# Altium PCB Iris.PcbDoc (part 5 of 13)
Units mm, origin at the board's own origin, x right, y up, seen from the top; angles counter-clockwise.
Board outline 100 x 72 mm, 6 copper layers (Top Layer, PowerPlane1, MidLayer1, MidLayer2, PowerPlane2, Bottom Layer), stack 1.561 mm thick; 396 components, 379 nets, 1616 pads, 658 vias.
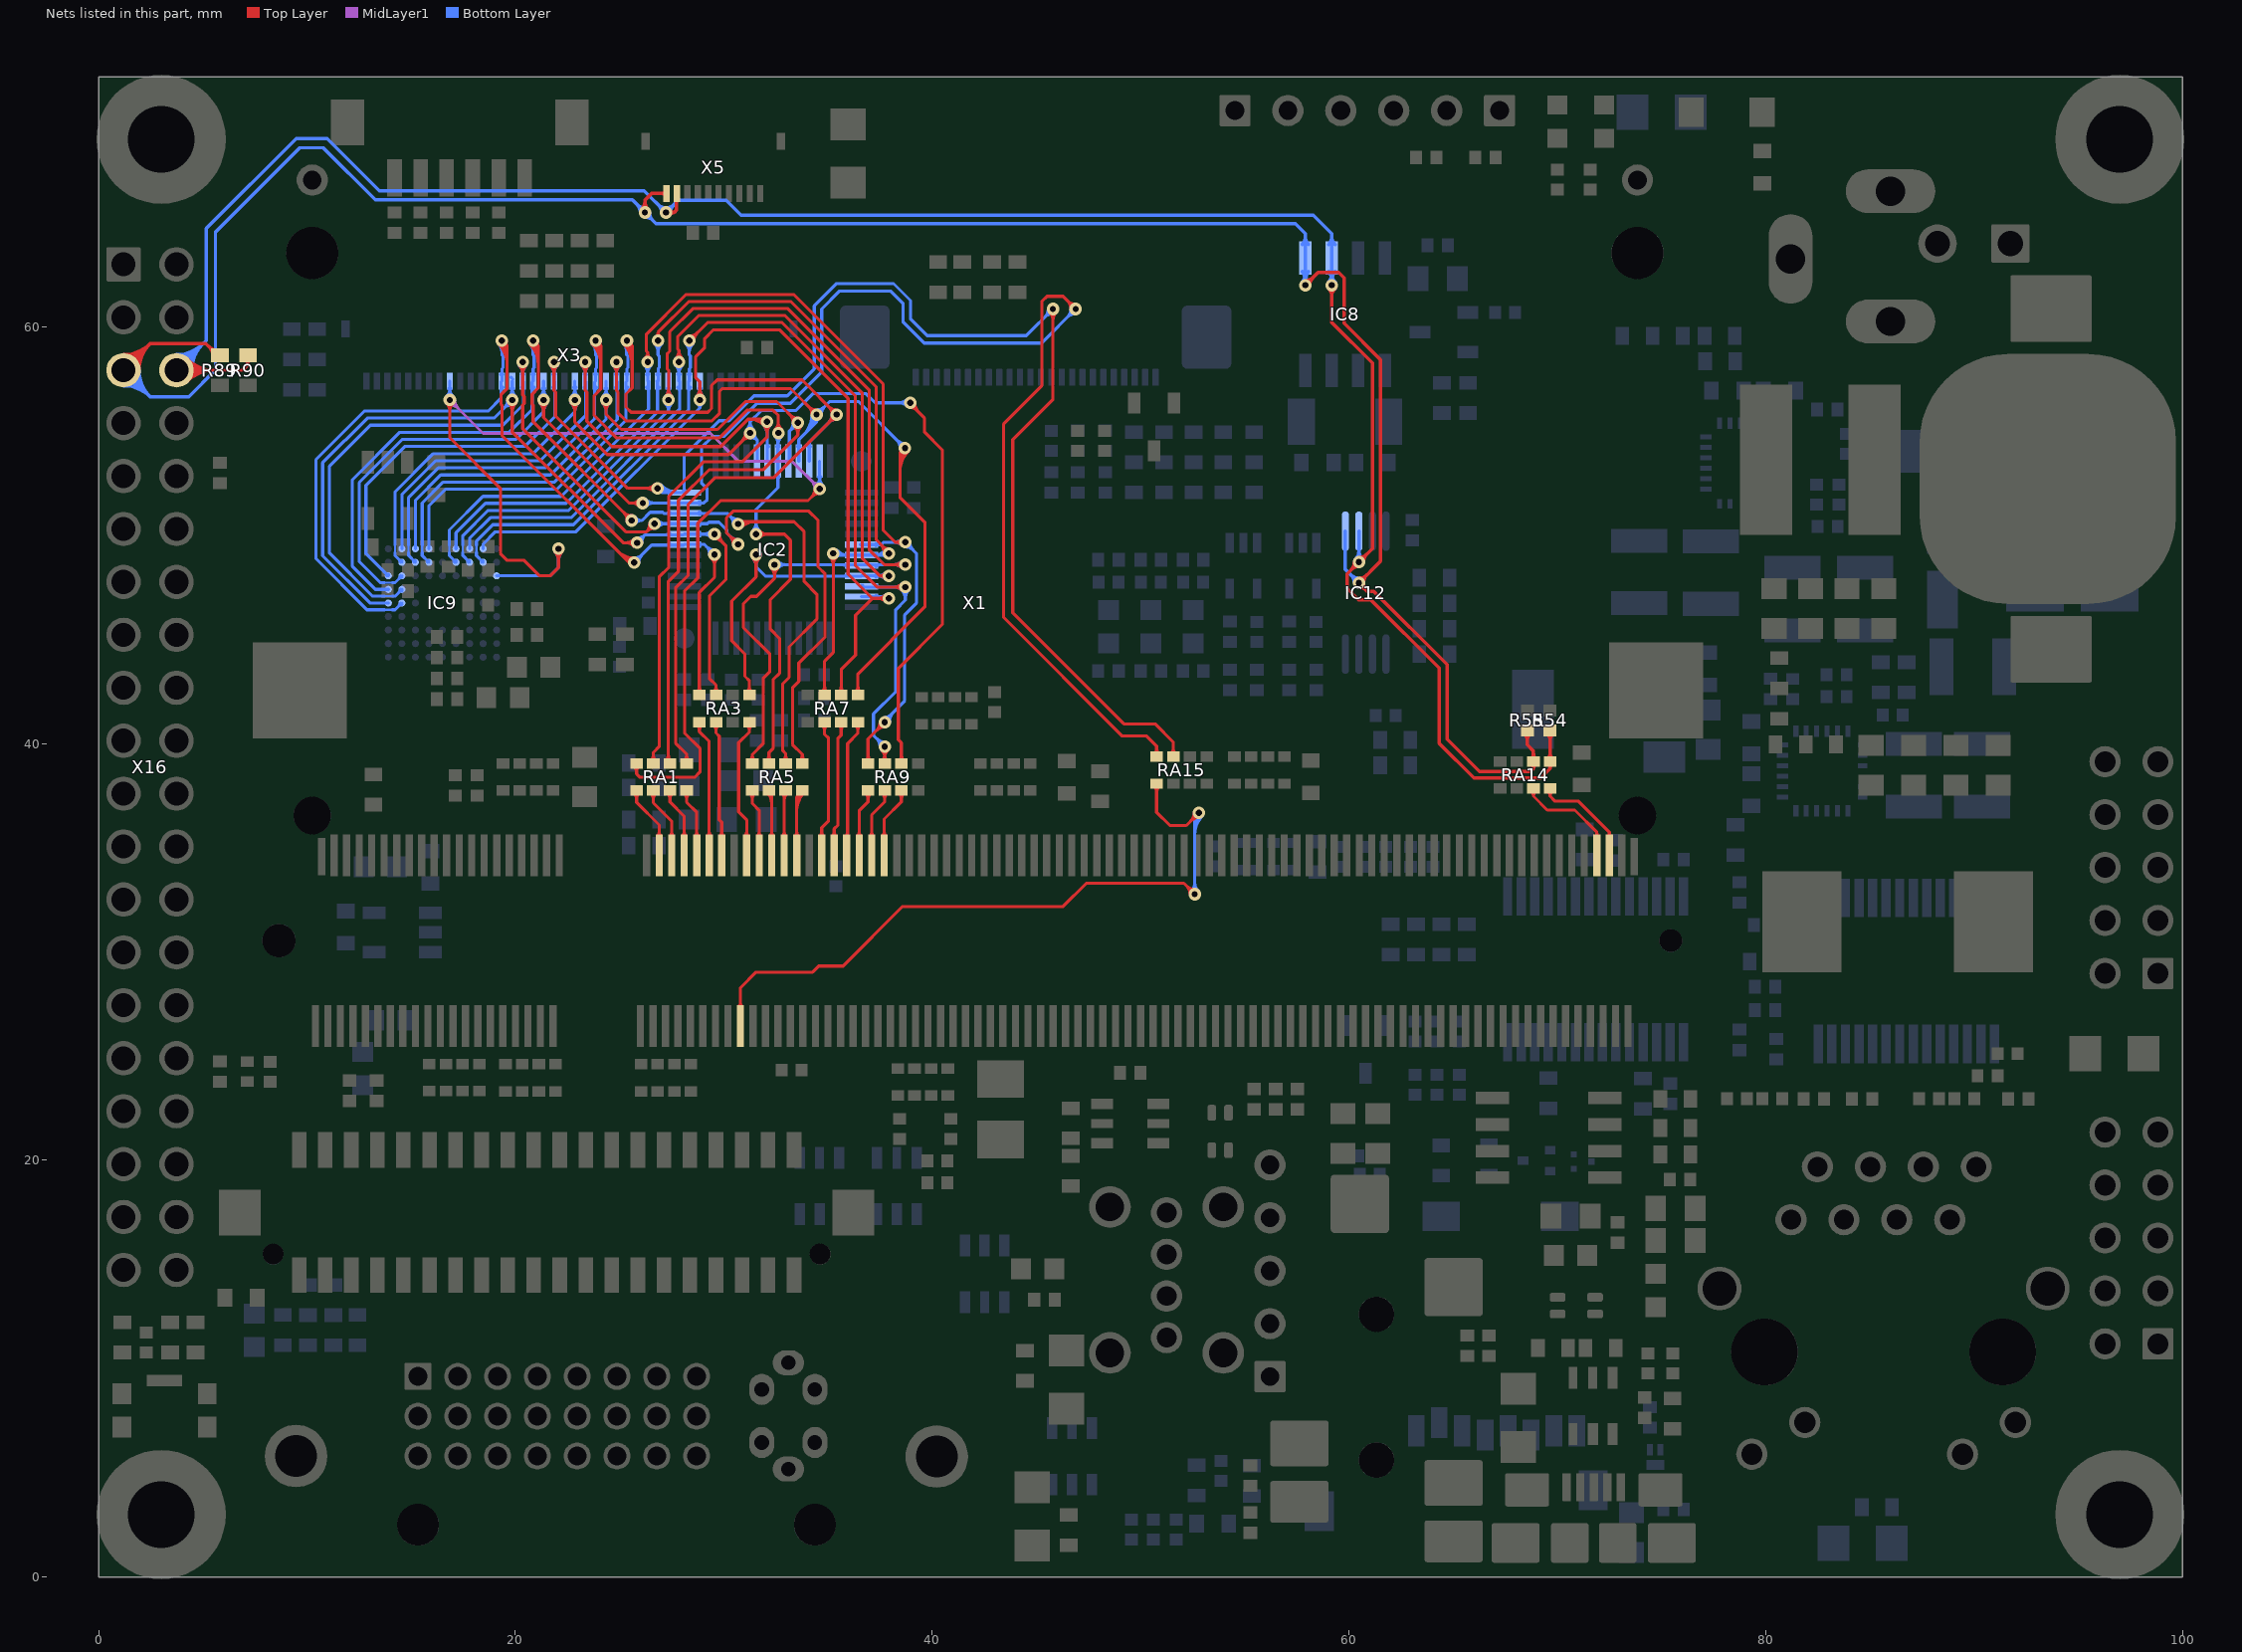
[diagram p9: the nets of this part, all layers, seen from the top]

## Via types
v1: diameter 0.6, hole 0.3, Top Layer to Bottom Layer, tented both sides, 651 vias
v2: diameter 0.55, hole 0.3, Top Layer to Bottom Layer, tented both sides, 7 vias

## Nets (pads, with @x,y where several pads share a name; then routed paths per layer and width w, separated by ;. In a path a pad name is that pad's centre, name@x,y a point inside that pad or via, vN(x,y) a via of type N, cw(c..) or ccw(c..) an arc to the next point about the centre after c; other vN are vias at no path point) (continued)
I2C_SCL: IC8.6 IC12.6 R54.1 R90.1 RA14.8 X5.2 X16.6 | length 133.5
  Top Layer w0.165: X16.6@3.731,57.92 6.917,57.92 7.163,58.166 ; X16.6@4.023,57.628 cw(c4.727,56.924) 4.727,57.92 cw(c4.727,58.916) X16.6@4.023,58.212 ; X16.6@4.139,57.512 cw(c5.125,56.526) 5.125,57.92 cw(c5.125,59.314) X16.6@4.139,58.328 ; X16.6@4.256,57.395 cw(c5.524,56.127) 5.524,57.92 cw(c5.524,59.713) X16.6@4.256,58.445 ; R90.1@7.022,58.441 cw(c6.825,58.166) 7.163,58.166 ; R90.1@7.163,58.638 7.163,58.166 ; R90.1@7.304,58.441 ccw(c7.501,58.166) 7.163,58.166 ; v1(27.231,65.49) 27.618,65.49 ; v1@27.417,65.377 cw(c27.618,65.254) 27.618,65.49 ; v1@27.417,65.603 ccw(c27.618,65.725) 27.618,65.49 ; 27.717,65.909 cw(c27.991,65.909) X5.2@27.798,66.102 ; X5.2@27.75,66.4 27.717,66.367 27.717,65.589 27.618,65.49 ; v1@59.028,61.848 cw(c58.657,61.476) 59.182,61.476 cw(c59.707,61.476) v1@59.336,61.848 ; v1(59.182,62.001) 59.182,60.211 61.132,58.261 61.132,49.363 v1(60.483,48.714) 59.913,48.144 59.913,47.453 60.458,46.908 61.054,46.908 64.332,43.629 64.332,40.011 65.999,38.344 69.205,38.344 69.659,38.798 ; v1@60.265,48.714 cw(c59.74,48.714) 60.111,48.342 cw(c60.483,47.971) v1@60.483,48.496 ; v1@60.483,48.931 ccw(c60.483,49.456) 60.854,49.085 ccw(c61.225,48.714) v1@60.7,48.714 ; R54.1@69.516,40.486 cw(c69.17,40.141) 69.659,40.141 cw(c70.148,40.141) R54.1@69.802,40.486 ; RA14.8@69.541,39.266 ccw(c69.255,39.552) 69.659,39.552 ccw(c70.064,39.552) RA14.8@69.778,39.266 ; RA14.8@69.554,39.017 cw(c69.379,38.798) 69.659,38.798 ; RA14.8@69.593,39.302 ccw(c69.55,39.402) 69.659,39.402 ccw(c69.768,39.402) RA14.8@69.725,39.302 ; R54.1@69.659,40.63 69.659,39.814 RA14.8@69.659,39.148 69.659,38.798 ; RA14.8@69.764,39.017 ccw(c69.94,38.798) 69.659,38.798
  Bottom Layer w0.165: X16.6@3.731,57.92 5.156,59.345 5.156,64.724 9.474,69.042 10.962,69.042 13.468,66.536 26.185,66.536 v1(27.231,65.49) 27.807,66.065 30.124,66.065 30.836,65.354 58.293,65.354 59.182,64.465 IC8.6@59.182,63.304 v1(59.182,62.001) ; X16.6@3.731,58.332 ccw(c3.731,59.328) 4.435,58.624 ccw(c5.139,57.92) X16.6@4.143,57.92 ; X16.6@3.731,58.498 ccw(c3.731,59.892) 4.717,58.906 ccw(c5.703,57.92) X16.6@4.308,57.92 ; X16.6@3.731,58.663 ccw(c3.731,60.455) 4.998,59.188 ccw(c6.266,57.92) X16.6@4.473,57.92 ; v1@27.014,65.49 ccw(c26.489,65.49) 26.86,65.861 ccw(c27.231,66.232) 27.231,65.707 ccw(c27.231,66.232) 27.603,65.861 ccw(c27.974,65.49) v1@27.449,65.49 ; v1@59.028,62.155 ccw(c58.657,62.526) 59.182,62.526 ccw(c59.707,62.526) v1@59.336,62.155 ; IC8.6@59.028,62.651 cw(c58.657,62.279) 59.182,62.279 cw(c59.707,62.279) IC8.6@59.336,62.651 ; IC8.6@59.028,63.958 ccw(c58.657,64.329) 59.182,64.329 ccw(c59.707,64.329) IC8.6@59.336,63.958 ; v1@59.056,62.179 ccw(c58.926,62.363) 59.144,62.422 ; v1@59.073,62.19 ccw(c58.933,62.432) 59.203,62.359 ; 59.161,62.359 ccw(c59.431,62.432) v1@59.291,62.19 ; 59.22,62.421 ccw(c59.438,62.363) v1@59.308,62.179 ; v1@60.329,48.867 ccw(c59.958,49.239) 60.483,49.239 ccw(c61.008,49.239) v1@60.636,48.867 ; v1(60.483,48.714) IC12.6@60.483,50.194
I2C_SCL_S: RA14.4 X1.196 | length 6
  Top Layer w0.152: RA14.4@69.548,37.714 cw(c69.353,37.478) 69.659,37.478 ; RA14.4@69.659,37.848 69.659,37.478 ; RA14.4@69.77,37.714 ccw(c69.965,37.478) 69.659,37.478 ; X1.196@72.43,35.541 ccw(c72.261,35.71) 72.5,35.71 ccw(c72.739,35.71) X1.196@72.57,35.541 ; X1.196@72.493,34.653 X1.196@72.5,34.646 72.5,35.755 71.018,37.236 69.901,37.236 69.659,37.478
I2C_SDA: IC8.5 IC12.5 R55.1 R89.1 RA14.7 X5.1 X16.5 | length 140.1
  Top Layer w0.165: X16.5@1.191,57.92 2.469,59.198 5.14,59.198 5.7,58.638 R89.1@5.817,58.638 ; X16.5@1.191,58.332 ccw(c1.191,59.328) 1.895,58.624 ccw(c2.599,57.92) X16.5@1.603,57.92 ; X16.5@1.191,58.498 ccw(c1.191,59.892) 2.177,58.906 ccw(c3.163,57.92) X16.5@1.768,57.92 ; X16.5@1.191,58.663 ccw(c1.191,60.455) 2.458,59.188 ccw(c3.726,57.92) X16.5@1.933,57.92 ; 5.275,59.064 ccw(c5.717,59.506) R89.1@5.717,58.881 ; 5.314,59.024 cw(c4.928,58.638) R89.1@5.474,58.638 ; v1@26.059,65.643 ccw(c25.688,66.015) 26.213,66.015 ccw(c26.738,66.015) v1@26.367,65.643 ; v1(26.213,65.49) 26.213,66.065 26.543,66.396 26.539,66.4 X5.1@27.25,66.4 ; X5.1@27.151,66.352 ccw(c27.036,66.237) 27.036,66.4 ccw(c27.036,66.563) X5.1@27.151,66.448 ; v1(57.912,62.001) 58.522,62.611 59.512,62.611 59.766,62.357 59.766,60.174 61.519,58.421 61.519,48.752 v1(60.483,47.716) 60.904,47.295 61.214,47.295 64.719,43.79 64.719,40.208 66.269,38.659 68.707,38.659 68.859,38.811 ; v1@57.912,62.219 ccw(c57.912,62.744) 58.283,62.373 ccw(c58.655,62.001) v1@58.13,62.001 ; v1@60.483,47.498 cw(c60.483,46.973) 60.854,47.345 cw(c61.225,47.716) 60.7,47.716 cw(c61.225,47.716) 60.854,48.087 cw(c60.483,48.458) v1@60.483,47.933 ; R55.1@68.424,40.486 cw(c68.079,40.141) 68.567,40.141 ; 68.567,40.14 cw(c69.056,40.14) R55.1@68.71,40.486 ; R55.1@68.567,40.63 68.567,39.942 68.859,39.65 RA14.7@68.859,39.148 68.859,38.811 ; RA14.7@68.741,39.266 ccw(c68.455,39.552) 68.859,39.552 ccw(c69.264,39.552) RA14.7@68.978,39.266 ; RA14.7@68.758,39.014 cw(c68.605,38.811) 68.859,38.811 ; RA14.7@68.793,39.302 ccw(c68.75,39.402) 68.859,39.402 ccw(c68.968,39.402) RA14.7@68.925,39.302 ; RA14.7@68.96,39.014 ccw(c69.114,38.811) 68.859,38.811
  Bottom Layer w0.165: X16.5@1.191,57.178 cw(c1.191,55.385) 2.458,56.652 cw(c3.726,57.92) X16.5@1.933,57.92 ; X16.5@1.191,57.343 cw(c1.191,55.948) 2.177,56.934 cw(c3.163,57.92) X16.5@1.768,57.92 ; X16.5@1.191,57.508 cw(c1.191,56.512) 1.895,57.216 cw(c2.599,57.92) X16.5@1.603,57.92 ; X16.5@1.191,57.92 2.461,56.65 4.326,56.65 5.603,57.927 5.603,64.539 9.659,68.595 10.777,68.595 13.283,66.089 25.613,66.089 v1(26.213,65.49) 26.755,64.948 57.429,64.948 57.912,64.465 IC8.5@57.912,63.304 v1(57.912,62.001) ; v1@25.995,65.49 ccw(c25.47,65.49) 25.842,65.861 ccw(c26.213,66.232) v1@26.213,65.707 ; v1@26.213,65.272 cw(c26.213,64.747) 26.584,65.118 cw(c26.955,65.49) v1@26.43,65.49 ; v1@57.758,62.155 ccw(c57.387,62.526) 57.912,62.526 ccw(c58.437,62.526) v1@58.066,62.155 ; IC8.5@57.758,62.651 cw(c57.387,62.279) 57.912,62.279 cw(c58.437,62.279) IC8.5@58.066,62.651 ; IC8.5@57.758,63.958 ccw(c57.387,64.329) 57.912,64.329 ccw(c58.437,64.329) IC8.5@58.066,63.958 ; v1@57.786,62.179 ccw(c57.656,62.363) 57.874,62.422 ; v1@57.803,62.19 ccw(c57.663,62.432) 57.933,62.359 ; 57.891,62.359 ccw(c58.161,62.432) v1@58.021,62.19 ; 57.95,62.421 ccw(c58.168,62.363) v1@58.038,62.179 ; IC12.5@59.833,50.194 59.833,48.366 v1(60.483,47.716) ; v1@60.265,47.716 ccw(c59.74,47.716) 60.111,48.087 ccw(c60.483,48.458) v1@60.483,47.933
I2C_SDA_S: RA14.3 X1.194 | length 6.1
  Top Layer w0.152: RA14.3@68.748,37.714 cw(c68.553,37.478) 68.859,37.478 ; RA14.3@68.859,37.848 68.859,37.478 ; RA14.3@68.97,37.714 ccw(c69.165,37.478) 68.859,37.478 ; X1.194@71.83,35.541 ccw(c71.661,35.71) 71.9,35.71 ccw(c72.139,35.71) X1.194@71.97,35.541 ; X1.194@71.9,34.646 71.9,35.755 70.843,36.812 69.525,36.812 68.859,37.478
LCD_BIAS: IC2.11 IC9.G9 RA1.5 X3.32 | length 69.3
  Top Layer w0.15: v1@16.691,56.331 cw(c16.307,55.946) 16.85,55.946 cw(c17.393,55.946) v1@17.009,56.331 ; v1(16.85,56.49) 16.85,54.676 19.279,52.248 19.279,49.124 19.609,48.793 20.422,48.793 21.165,48.05 21.659,48.05 22.067,48.458 v1(22.067,49.35) ; v1@21.908,49.191 cw(c21.524,48.807) 22.067,48.807 cw(c22.61,48.807) v1@22.226,49.191 ; RA1.5@25.693,38.922 cw(c25.394,38.624) 25.817,38.624 cw(c26.239,38.624) RA1.5@25.94,38.922 ; RA1.5@25.817,39.046 25.817,38.547 25.984,38.379 28.6,38.379 28.854,38.633 28.854,39.776 28.118,40.513 28.118,47.32 28.753,47.955 28.753,50.571 29.845,51.664 34.042,51.664 v1(34.6,52.222) ; v1@34.375,52.222 cw(c33.832,52.222) 34.216,51.837 cw(c34.6,51.453) v1@34.6,51.997
  MidLayer1 w0.15: v1@16.85,56.265 cw(c16.85,55.721) 17.234,56.105 cw(c17.618,56.49) v1@17.075,56.49 ; v1(16.85,56.49) 18.45,54.889 29.362,54.889 30.709,53.543 33.278,53.543 v1(34.6,52.222) ; v1@34.375,52.222 ccw(c33.832,52.222) 34.216,52.606 ccw(c34.6,52.99) v1@34.6,52.447
  Bottom Layer w0.15: v1@16.691,56.649 ccw(c16.307,57.033) 16.85,57.033 ccw(c17.393,57.033) v1@17.009,56.649 ; X3.32@16.797,57.046 cw(c16.669,56.918) 16.85,56.918 cw(c17.031,56.918) X3.32@16.903,57.046 ; v1(16.85,56.49) X3.32@16.85,57.4 ; IC9.G9@19.1,48.05 21.659,48.05 22.067,48.458 v1(22.067,49.35) ; v1@21.908,49.191 cw(c21.524,48.807) 22.067,48.807 cw(c22.61,48.807) v1@22.226,49.191 ; v1@34.441,52.381 ccw(c34.057,52.765) 34.6,52.765 ccw(c35.143,52.765) v1@34.759,52.381 ; IC2.11@34.547,52.796 cw(c34.419,52.668) 34.6,52.668 cw(c34.781,52.668) IC2.11@34.653,52.796 ; v1(34.6,52.222) IC2.11@34.6,53.55
LCD_BIAS_S: RA1.1 X1.44 | length 4.5
  Top Layer w0.15: RA1.1@25.693,37.622 cw(c25.394,37.324) 25.817,37.324 cw(c26.239,37.324) RA1.1@25.94,37.622 ; RA1.1@25.817,37.746 25.817,37.176 26.901,36.092 X1.44@26.901,34.753 ; X1.44@26.829,35.593 ccw(c26.659,35.763) 26.9,35.763 ccw(c27.141,35.763) X1.44@26.971,35.593
LCD_D_0: IC2.18 IC9.H6 RA9.5 X3.13 | length 61.1
  Top Layer w0.15: v1@26.213,58.489 ccw(c26.002,58.765) 26.35,58.765 ; v1(26.35,58.31) 26.35,58.765 ; v1@26.487,58.489 cw(c26.698,58.765) 26.35,58.765 ; RA9.5@36.8,39.17 ccw(c36.502,39.469) 36.924,39.469 ccw(c37.347,39.469) RA9.5@37.048,39.17 ; RA9.5@36.924,39.046 36.924,40.223 v1(37.724,41.023) ; v1@37.499,41.023 cw(c36.956,41.023) 37.34,40.639 cw(c37.724,40.255) v1@37.724,40.798 ; v1@38.539,49.518 ccw(c38.22,49.244) 38.22,49.664 ; v1@38.539,49.811 cw(c38.22,50.085) 38.22,49.664 ; v1(38.71,49.664) 38.22,49.664 ; 26.35,58.765 26.289,58.826 26.289,59.657 28.18,61.548 33.361,61.548 37.65,57.259 37.65,50.234 38.22,49.664
  Bottom Layer w0.105: 16.825,49.174 16.825,49.526
  Bottom Layer w0.15: 16.825,49.174 16.825,49.025 IC9.H6@17.15,48.7 ; 16.825,49.526 16.825,50.251 18.443,51.87 22.202,51.87 26.391,56.058 X3.13@26.391,57.4 ; IC9.H6@17.08,48.7 ccw(c16.911,48.7) 17.031,48.819 ccw(c17.15,48.939) IC9.H6@17.15,48.77 ; v1@26.191,58.151 cw(c25.807,57.767) 26.35,57.767 cw(c26.893,57.767) v1@26.509,58.151 ; X3.13@26.297,57.097 cw(c26.071,56.871) 26.391,56.871 ; X3.13@26.297,57.703 ccw(c26.169,57.831) 26.35,57.831 ccw(c26.531,57.831) X3.13@26.403,57.703 ; X3.13@26.35,57.4 v1(26.35,58.31) ; IC2.18@36.549,49.55 37.561,49.55 37.675,49.664 v1(38.71,49.664) 39.243,49.131 39.243,46.736 38.684,46.177 38.684,42.056 v1@37.753,41.125 ; IC2.18@37.303,49.497 cw(c37.431,49.369) 37.431,49.55 cw(c37.431,49.731) IC2.18@37.303,49.603 ; v1@37.724,41.248 ccw(c37.724,41.616) 37.984,41.356 ; v1@37.799,41.023 cw(c38.155,41.023) 37.903,41.275 ; v1@37.949,41.023 cw(c38.667,41.023) 38.159,41.531 ; v1@38.551,49.505 ccw(c38.166,49.121) 38.166,49.664 ccw(c38.166,50.207) v1@38.551,49.823 ; v1@38.71,49.439 cw(c38.71,48.896) 39.094,49.28 cw(c39.478,49.664) v1@38.935,49.664
LCD_D_0_S: RA9.1 X1.76 | length 4.3
  Top Layer w0.15: X1.76@36.429,35.593 ccw(c36.259,35.763) 36.5,35.763 ccw(c36.741,35.763) X1.76@36.571,35.593 ; X1.76@36.5,34.646 36.5,36.779 36.924,37.203 RA9.1@36.924,37.746 ; RA9.1@36.8,37.622 cw(c36.502,37.324) 36.924,37.324 cw(c37.347,37.324) RA9.1@37.048,37.622
LCD_D_1: IC2.19 IC9.J6 RA7.6 X3.12 | length 54.7
  Top Layer w0.15: v1@26.73,59.526 ccw(c26.594,59.743) 26.85,59.743 ; v1(26.85,59.336) 26.85,59.743 ; v1@26.97,59.526 cw(c27.106,59.743) 26.85,59.743 ; RA7.6@34.712,42.456 ccw(c34.414,42.754) 34.836,42.754 ccw(c35.258,42.754) RA7.6@34.96,42.456 ; RA7.6@34.836,42.332 34.836,43.955 35.253,44.372 v1(35.253,49.127) ; v1@35.094,48.968 cw(c34.71,48.584) 35.253,48.584 cw(c35.797,48.584) v1@35.412,48.968 ; 37.502,49.597 cw(c37.031,49.126) v1@37.697,49.126 ; 37.625,49.474 ccw(c37.922,49.772) v1@37.922,49.351 ; v1@37.973,49.126 37.314,49.786 37.314,57.12 33.221,61.212 28.319,61.212 26.85,59.743
  Bottom Layer w0.15: IC9.J6@17.15,49.35 17.15,50.117 18.563,51.53 22.437,51.53 26.822,55.915 26.822,57.375 X3.12@26.797,57.4 ; v1@26.691,59.177 cw(c26.325,58.811) 26.842,58.811 ; X3.12@26.797,57.703 ccw(c26.669,57.831) 26.85,57.831 ccw(c27.031,57.831) X3.12@26.903,57.703 ; 26.822,56.902 cw(c27.098,56.902) X3.12@26.903,57.097 ; 26.842,58.774 cw(c27.412,58.774) v1@27.009,59.177 ; v1@26.842,59.336 26.842,58.653 26.898,58.598 26.898,58.039 26.85,57.991 X3.12@26.85,57.4 ; v1(35.253,49.127) 35.33,49.051 IC2.19@36.601,49.051 ; v1@35.306,49.18 ccw(c35.618,49.492) 35.618,49.051 ; v1@35.412,48.968 cw(c35.613,48.768) 35.613,49.051 ; v1@35.412,49.286 ccw(c35.981,49.854) IC2.19@35.981,49.051 ; 35.767,49.051 cw(c35.767,48.867) IC2.19@35.897,48.997 ; 35.771,49.051 ccw(c35.771,49.229) IC2.19@35.897,49.103 ; IC2.19@36.601,49.05 37.846,49.05 v1(37.922,49.126) ; IC2.19@37.195,49.05 ccw(c37.195,49.853) v1@37.763,49.285 ; IC2.19@37.303,48.997 cw(c37.431,48.869) 37.431,49.05 cw(c37.431,49.231) IC2.19@37.303,49.103 ; 37.557,49.05 ccw(c37.557,49.491) v1@37.869,49.179 ; 37.563,49.05 cw(c37.563,48.767) v1@37.763,48.967
LCD_D_1_S: RA7.2 X1.70 | length 7.6
  Top Layer w0.15: X1.70@34.629,35.593 ccw(c34.459,35.763) 34.7,35.763 ccw(c34.941,35.763) X1.70@34.771,35.593 ; X1.70@34.7,34.646 34.7,35.97 35.027,36.297 35.027,40.259 34.832,40.454 RA7.2@34.832,41.032 ; RA7.2@34.712,40.908 cw(c34.423,40.619) 34.832,40.619 ; 34.832,40.599 cw(c35.268,40.599) RA7.2@34.96,40.908
LCD_D_2: IC2.20 IC9.H7 RA5.5 X3.11 | length 65
  Top Layer w0.15: v1@27.191,56.649 ccw(c26.807,57.033) 27.35,57.033 ccw(c27.893,57.033) v1@27.509,56.649 ; v1(27.35,56.49) 27.35,57.918 27.28,57.988 27.28,58.699 27.407,58.826 27.407,59.766 28.517,60.876 33.082,60.876 36.978,56.981 36.978,49.306 37.696,48.588 v1(38.71,48.588) ; RA5.5@31.245,39.17 ccw(c30.947,39.469) 31.369,39.469 ccw(c31.791,39.469) RA5.5@31.493,39.17 ; RA5.5@31.369,39.046 31.369,39.48 31.902,40.014 31.902,43.155 32.209,43.461 32.209,44.296 30.937,45.568 30.937,46.705 31.298,47.066 31.572,47.066 32.436,47.93 v1(32.436,48.585) ; v1@32.277,48.426 cw(c31.893,48.042) 32.436,48.042 cw(c32.979,48.042) v1@32.595,48.426 ; v1@38.551,48.429 ccw(c38.166,48.045) 38.166,48.588 ccw(c38.166,49.131) v1@38.551,48.747
  Bottom Layer w0.105: 17.475,49.174 17.475,49.526
  Bottom Layer w0.15: 17.475,49.174 17.475,49.025 IC9.H7@17.8,48.7 ; 17.475,49.526 17.475,49.982 18.68,51.187 22.554,51.187 27.35,55.983 ; IC9.H7@17.73,48.7 ccw(c17.561,48.7) 17.681,48.819 ccw(c17.8,48.939) IC9.H7@17.8,48.77 ; v1@27.191,56.649 ccw(c26.807,57.033) 27.35,57.033 ccw(c27.893,57.033) v1@27.509,56.649 ; v1@27.199,56.323 cw(c26.892,55.983) 27.35,55.983 ; X3.11@27.297,57.046 cw(c27.169,56.918) 27.35,56.918 cw(c27.531,56.918) X3.11@27.403,57.046 ; X3.11@27.35,57.4 v1(27.35,56.49) 27.35,55.983 ; v1@27.501,56.323 ccw(c27.808,55.983) 27.35,55.983 ; v1(32.436,48.585) v1@38.786,48.585 ; v1@32.595,48.426 cw(c32.979,48.042) 32.979,48.585 cw(c32.979,49.128) v1@32.595,48.744 ; 35.684,48.585 cw(c35.684,48.284) IC2.20@35.897,48.497 ; IC2.20@37.303,48.497 cw(c37.516,48.284) 37.516,48.585 ; 38.159,48.585 ccw(c38.159,49.139) v1@38.551,48.747 ; 38.174,48.585 cw(c38.174,48.052) v1@38.551,48.429
LCD_D_2_S: RA5.1 X1.60 | length 4.3
  Top Layer w0.15: RA5.1@31.245,37.622 cw(c30.947,37.324) 31.369,37.324 cw(c31.791,37.324) RA5.1@31.493,37.622 ; RA5.1@31.369,37.746 31.369,37.135 31.7,36.804 X1.60@31.7,34.646 ; X1.60@31.629,35.593 ccw(c31.459,35.763) 31.7,35.763 ccw(c31.941,35.763) X1.60@31.771,35.593
LCD_D_3: IC2.21 IC9.J7 RA3.8 X3.10 | length 58.3
  Top Layer w0.15: v1@27.691,58.469 ccw(c27.307,58.854) 27.85,58.854 ccw(c28.393,58.854) v1@28.009,58.469 ; v1(27.85,58.31) 27.85,58.866 27.788,58.928 27.788,59.538 28.79,60.54 32.943,60.54 36.641,56.841 36.641,48.906 37.497,48.05 ; RA3.8@31.105,42.456 ccw(c30.807,42.754) 31.229,42.754 ccw(c31.651,42.754) RA3.8@31.353,42.456 ; RA3.8@31.229,42.332 31.229,43.015 31.013,43.231 31.013,44.298 30.378,44.933 30.378,46.838 31.547,48.006 v1(31.547,49.073) ; v1@31.388,48.914 cw(c31.004,48.53) 31.547,48.53 cw(c32.09,48.53) v1@31.706,48.914 ; v1@37.736,47.924 ccw(c37.497,47.761) 37.497,48.05 ; v1@37.736,48.176 cw(c37.497,48.339) 37.497,48.05 ; v1@37.973,48.05 37.497,48.05
  Bottom Layer w0.15: IC9.J7@17.8,49.35 17.8,49.848 18.8,50.847 22.674,50.847 27.889,56.063 X3.10@27.889,57.4 ; v1@27.691,58.151 cw(c27.307,57.767) 27.85,57.767 cw(c28.393,57.767) v1@28.009,58.151 ; X3.10@27.797,57.097 cw(c27.574,56.874) 27.889,56.874 ; X3.10@27.797,57.703 ccw(c27.669,57.831) 27.85,57.831 ccw(c28.031,57.831) X3.10@27.903,57.703 ; X3.10@27.85,57.4 v1(27.85,58.31) ; v1@31.388,48.914 cw(c31.004,48.53) 31.547,48.53 cw(c32.09,48.53) v1@31.706,48.914 ; v1(31.547,49.073) 31.547,48.488 32,48.035 IC2.21@36.585,48.035 ; 35.733,48.035 ccw(c35.733,48.267) IC2.21@35.897,48.103 ; IC2.21@36.6,48.05 v1(37.922,48.05) ; IC2.21@37.303,47.997 cw(c37.431,47.869) 37.431,48.05 cw(c37.431,48.231) IC2.21@37.303,48.103 ; v1@37.763,47.891 ccw(c37.379,47.507) 37.379,48.05 ccw(c37.379,48.593) v1@37.763,48.209
LCD_D_3_S: RA3.4 X1.58 | length 7.8
  Top Layer w0.15: X1.58@31.029,35.593 ccw(c30.859,35.763) 31.1,35.763 ccw(c31.341,35.763) X1.58@31.171,35.593 ; X1.58@31.1,34.646 31.1,36.337 30.713,36.724 30.713,40.046 31.229,40.561 RA3.4@31.229,41.032 ; RA3.4@31.105,40.908 cw(c30.807,40.609) 31.229,40.609 cw(c31.651,40.609) RA3.4@31.353,40.908
LCD_D_4: IC2.22 IC9.H8 RA9.6 X3.9 | length 57.4
  Top Layer w0.15: v1(28.35,59.336) 29.218,60.204 32.804,60.204 36.305,56.702 36.305,48.556 37.35,47.512 v1(38.71,47.512) ; v1@28.35,59.561 ccw(c28.35,60.104) 28.734,59.72 ccw(c29.118,59.336) v1@28.575,59.336 ; v1@37.565,39.696 cw(c37.181,39.312) 37.724,39.312 cw(c38.267,39.312) v1@37.883,39.696 ; RA9.6@37.6,39.17 ccw(c37.302,39.469) 37.724,39.469 ccw(c38.147,39.469) RA9.6@37.848,39.17 ; RA9.6@37.724,39.046 v1@37.724,40.033 ; v1@38.551,47.353 ccw(c38.166,46.969) 38.166,47.512 ccw(c38.166,48.055) v1@38.551,47.671
  Bottom Layer w0.105: 18.125,49.174 18.125,49.526
  Bottom Layer w0.15: 18.125,49.174 18.125,49.025 IC9.H8@18.45,48.7 ; 18.125,49.526 18.125,49.713 18.917,50.505 22.791,50.505 28.321,56.035 X3.9@28.321,57.4 ; IC9.H8@18.38,48.7 ccw(c18.211,48.7) 18.33,48.819 ccw(c18.45,48.939) IC9.H8@18.45,48.77 ; v1@28.191,59.177 cw(c27.825,58.811) 28.342,58.811 ; X3.9@28.297,57.703 ccw(c28.169,57.831) 28.35,57.831 ccw(c28.531,57.831) X3.9@28.403,57.703 ; 28.321,56.899 cw(c28.601,56.899) X3.9@28.403,57.097 ; 28.342,58.774 cw(c28.912,58.774) v1@28.509,59.177 ; v1@28.342,59.336 28.342,58.653 28.398,58.598 28.398,58.039 28.35,57.991 X3.9@28.35,57.4 ; IC2.22@36.626,47.512 v1(38.71,47.512) 38.71,46.888 38.25,46.429 38.25,42.492 37.186,41.427 37.186,40.393 v1(37.724,39.855) ; IC2.22@36.626,47.524 IC2.22@36.6,47.55 IC2.22@36.662,47.612 ; IC2.22@37.303,47.603 ccw(c37.523,47.823) 37.523,47.512 ; v1@37.499,39.855 ccw(c36.956,39.855) 37.34,40.239 ccw(c37.724,40.623) v1@37.724,40.08 ; v1@38.551,47.671 cw(c38.166,48.055) 38.166,47.512 cw(c38.166,46.969) 38.551,47.353 cw(c38.166,46.969) 38.71,46.969 cw(c39.253,46.969) v1@38.869,47.353
LCD_D_4_S: RA9.2 X1.78 | length 4.4
  Top Layer w0.15: X1.78@37.029,35.593 ccw(c36.859,35.763) 37.1,35.763 ccw(c37.341,35.763) X1.78@37.171,35.593 ; X1.78@37.1,34.646 37.1,36.579 37.724,37.203 RA9.2@37.724,37.746 ; RA9.2@37.6,37.622 cw(c37.302,37.324) 37.724,37.324 cw(c38.147,37.324) RA9.2@37.848,37.622
LCD_D_5: IC2.23 IC9.J8 RA7.7 X3.8 | length 50.7
  Top Layer w0.15: v1@28.691,56.649 ccw(c28.307,57.033) 28.85,57.033 ccw(c29.393,57.033) v1@29.009,56.649 ; v1(28.85,56.49) 28.85,57.358 28.651,57.556 28.651,58.571 29.083,59.003 29.083,59.436 29.509,59.862 32.67,59.862 35.969,56.563 35.969,48.13 37.126,46.974 v1(37.922,46.974) 37.139,46.974 36.322,46.157 36.322,44.247 35.636,43.561 RA7.7@35.636,42.332 ; RA7.7@35.512,42.456 ccw(c35.214,42.754) 35.636,42.754 ccw(c36.058,42.754) RA7.7@35.76,42.456 ; 37.379,46.974 ccw(c37.379,47.517) 37.763,47.133 cw(c37.379,47.517) 37.379,46.974 ; 37.379,46.974 cw(c37.379,46.431) 37.763,46.815 ccw(c37.379,46.431) 37.379,46.974